# Altium PCB 键盘.PcbDoc (part 9 of 10)
Units mm, origin at the board's own origin, x right, y up, seen from the top; angles counter-clockwise.
Board outline 100 x 100 mm, 2 copper layers (Top Layer, Bottom Layer); 85 components, 82 nets, 333 pads, 92 vias.
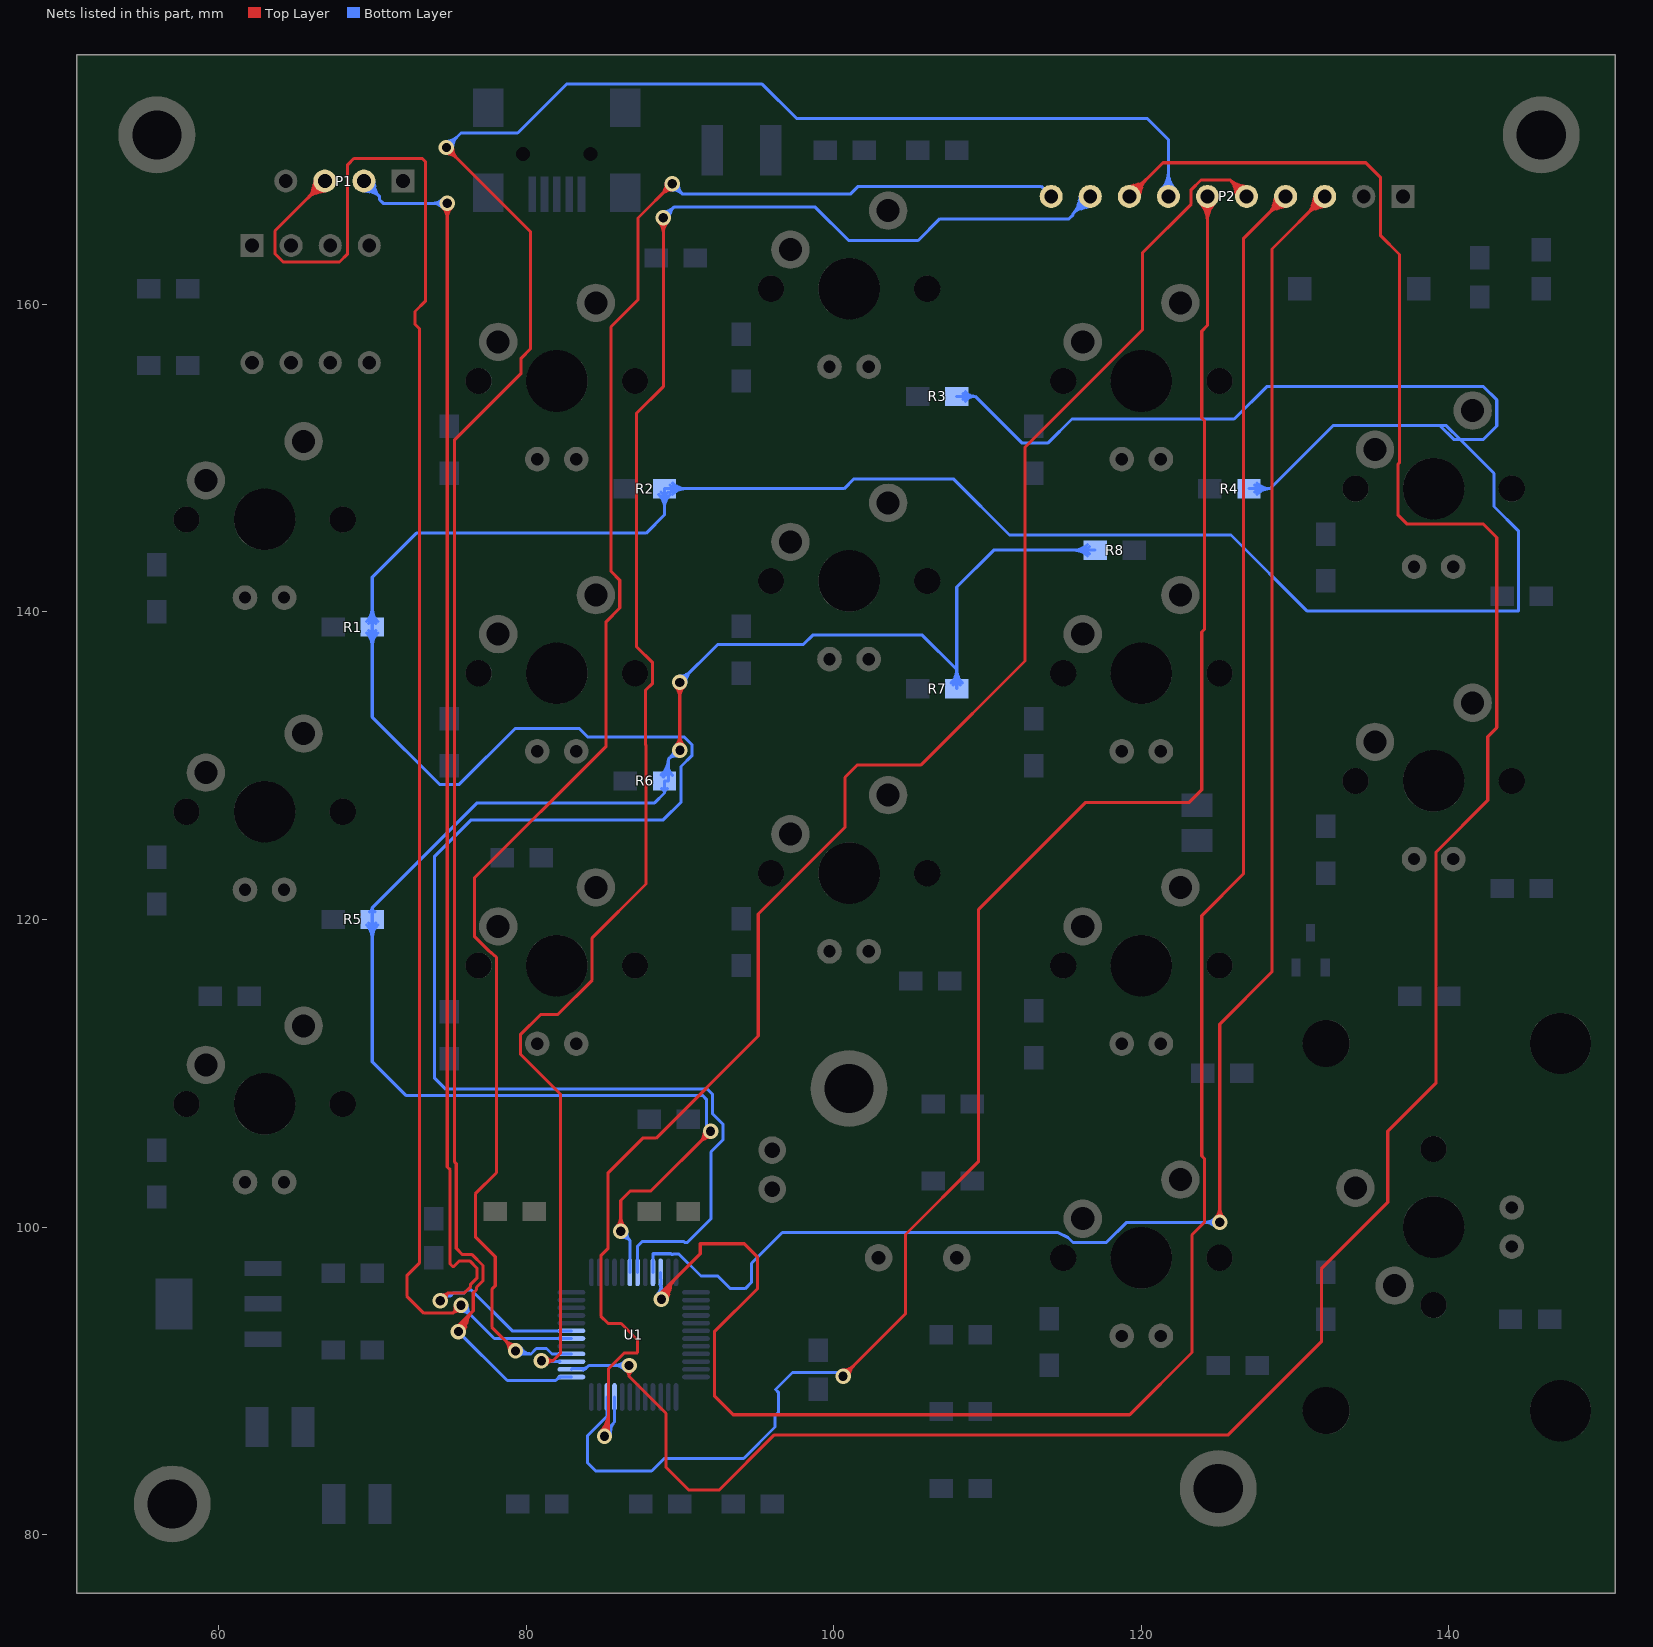
[diagram p9: the nets of this part, all layers, seen from the top]

## Via types
v1: diameter 1, hole 0.6, Top Layer to Bottom Layer, 92 vias

## Nets (pads, with @x,y where several pads share a name; then routed paths per layer and width w, separated by ;. In a path a pad name is that pad's centre, name@x,y a point inside that pad or via, vN(x,y) a via of type N, cw(c..) or ccw(c..) an arc to the next point about the centre after c; other vN are vias at no path point) (continued)
PB6: R5.1 R6.1 R7.1 R8.1 U1.42 | length 197.3
  Top Layer w0.2: v1(86.157,99.72) 86.157,101.727 86.766,102.337 88.113,102.337 v1(91.999,106.223) ; v1(89.992,135.407) 89.992,131.166 89.827,131 v1(90,131) ; v1@85.874,100.003 ccw(c85.191,100.686) 86.157,100.686 ; v1@85.874,100.003 ccw(c85.191,100.686) 86.157,100.686 ; v1@85.874,100.003 ccw(c85.191,100.686) 86.157,100.686 ; 86.157,100.686 ccw(c87.122,100.686) v1@86.44,100.003 ; 86.157,100.686 ccw(c87.122,100.686) v1@86.44,100.003 ; 86.157,100.686 ccw(c87.122,100.686) v1@86.44,100.003 ; v1@89.709,135.125 cw(c89.027,134.442) 89.992,134.442 ; v1@89.709,135.125 cw(c89.027,134.442) 89.992,134.442 ; v1@89.709,135.125 cw(c89.027,134.442) 89.992,134.442 ; v1@89.717,131.283 ccw(c89.053,131.947) 89.992,131.947 ; v1@89.717,131.283 ccw(c89.053,131.947) 89.992,131.947 ; v1@89.717,131.283 ccw(c89.053,131.947) 89.992,131.947 ; 89.992,131.502 ccw(c90.502,131.502) v1@90.141,131.141 ; 89.992,131.502 ccw(c90.502,131.502) v1@90.141,131.141 ; 89.992,131.502 ccw(c90.502,131.502) v1@90.141,131.141 ; 89.992,131.985 ccw(c90.985,131.985) v1@90.283,131.283 ; 89.992,131.985 ccw(c90.985,131.985) v1@90.283,131.283 ; 89.992,131.985 ccw(c90.985,131.985) v1@90.283,131.283 ; 89.992,134.442 cw(c90.958,134.442) v1@90.275,135.125 ; 89.992,134.442 cw(c90.958,134.442) v1@90.275,135.125 ; 89.992,134.442 cw(c90.958,134.442) v1@90.275,135.125 ; 91.316,105.54 cw(c91.999,104.857) v1@91.999,105.823 ; 91.316,105.54 ccw(c90.633,106.223) v1@91.599,106.223 ; 91.316,105.54 cw(c91.999,104.857) v1@91.999,105.823 ; 91.316,105.54 ccw(c90.633,106.223) v1@91.599,106.223 ; 91.316,105.54 cw(c91.999,104.857) v1@91.999,105.823 ; 91.316,105.54 ccw(c90.633,106.223) v1@91.599,106.223 ; 91.464,105.719 cw(c92.139,105.538) v1(91.999,106.223) ; 91.464,105.719 cw(c92.139,105.538) v1(91.999,106.223) ; 91.464,105.719 cw(c92.139,105.538) v1(91.999,106.223) ; 91.495,105.688 ccw(c91.314,106.363) v1(91.999,106.223) ; 91.495,105.688 ccw(c91.314,106.363) v1(91.999,106.223) ; 91.495,105.688 ccw(c91.314,106.363) v1(91.999,106.223)
  Bottom Layer w0.2: v1(86.157,99.72) 86.75,99.127 ; U1.42@86.75,97.05 86.75,99.127 ; v1(90,131) 89.827,131 89.256,130.429 ; v1(91.999,106.223) 91.719,106.502 91.719,108.306 91.465,108.56 72.184,108.56 70,110.744 R5.1@70,120 70,120.749 ; R7.1@108,135 108,136.246 ; R8.1@117,144 110.395,144 108,141.605 108,136.246 ; R5.1@69.629,119.629 cw(c68.733,118.733) 70,118.733 ; R5.1@69.629,119.629 cw(c68.733,118.733) 70,118.733 ; R5.1@69.629,119.629 cw(c68.733,118.733) 70,118.733 ; R5.1@69.77,119.77 cw(c69.215,119.215) 70,119.215 ; R5.1@69.77,119.77 cw(c69.215,119.215) 70,119.215 ; R5.1@69.77,119.77 cw(c69.215,119.215) 70,119.215 ; R5.1@69.821,120.493 ccw(c69.728,120.749) 70,120.749 ; R5.1@69.821,120.493 ccw(c69.728,120.749) 70,120.749 ; R5.1@69.821,120.493 ccw(c69.728,120.749) 70,120.749 ; 70,118.733 cw(c71.267,118.733) R5.1@70.371,119.629 ; 70,118.733 cw(c71.267,118.733) R5.1@70.371,119.629 ; 70,118.733 cw(c71.267,118.733) R5.1@70.371,119.629 ; 70,119.215 cw(c70.785,119.215) R5.1@70.23,119.77 ; 70,119.215 cw(c70.785,119.215) R5.1@70.23,119.77 ; 70,119.215 cw(c70.785,119.215) R5.1@70.23,119.77 ; 70,120.749 ccw(c70.272,120.749) R5.1@70.179,120.493 ; 70,120.749 ccw(c70.272,120.749) R5.1@70.179,120.493 ; 70,120.749 ccw(c70.272,120.749) R5.1@70.179,120.493 ; 70,120.749 76.829,127.578 88.359,127.578 89,128.219 ; v1@86.199,99.323 cw(c86.269,98.647) 86.75,99.127 ; v1@86.199,99.323 cw(c86.269,98.647) 86.75,99.127 ; v1@86.199,99.323 cw(c86.269,98.647) 86.75,99.127 ; v1@86.555,99.679 ccw(c87.231,99.608) 86.75,99.127 ; v1@86.555,99.679 ccw(c87.231,99.608) 86.75,99.127 ; v1@86.555,99.679 ccw(c87.231,99.608) 86.75,99.127 ; R6.1@88.789,129.393 ccw(c87.873,130.429) 89.256,130.429 ; R6.1@88.789,129.393 ccw(c87.873,130.429) 89.256,130.429 ; R6.1@88.789,129.393 ccw(c87.873,130.429) 89.256,130.429 ; R6.1@88.802,128.514 cw(c88.682,128.219) 89,128.219 ; R6.1@88.802,128.514 cw(c88.682,128.219) 89,128.219 ; R6.1@88.802,128.514 cw(c88.682,128.219) 89,128.219 ; R6.1@88.922,129.243 ccw(c88.265,129.985) 89.256,129.985 ; R6.1@88.922,129.243 ccw(c88.265,129.985) 89.256,129.985 ; R6.1@88.922,129.243 ccw(c88.265,129.985) 89.256,129.985 ; 89,128.219 cw(c89.318,128.219) R6.1@89.198,128.514 ; 89,128.219 cw(c89.318,128.219) R6.1@89.198,128.514 ; 89,128.219 cw(c89.318,128.219) R6.1@89.198,128.514 ; 89,128.219 R6.1@89,129 89.256,129 89.256,130.429 ; 89.256,129.981 ccw(c90.118,129.981) R6.1@89.508,129.371 ; 89.256,129.981 ccw(c90.118,129.981) R6.1@89.508,129.371 ; 89.256,129.981 ccw(c90.118,129.981) R6.1@89.508,129.371 ; 89.256,130.429 cw(c89.743,129.942) v1@89.906,130.611 ; 89.256,130.429 cw(c89.743,129.942) v1@89.906,130.611 ; 89.256,130.429 cw(c89.743,129.942) v1@89.906,130.611 ; 89.44,130.613 ccw(c89.053,131) v1@89.6,131 ; 89.44,130.613 ccw(c89.053,131) v1@89.6,131 ; 89.44,130.613 ccw(c89.053,131) v1@89.6,131 ; 89.507,130.681 cw(c89.841,130.347) v1@89.953,130.806 ; 89.507,130.681 cw(c89.841,130.347) v1@89.953,130.806 ; 89.507,130.681 cw(c89.841,130.347) v1@89.953,130.806 ; v1(89.992,135.407) cw(c90.677,135.267) 90.496,135.942 ; v1(89.992,135.407) ccw(c89.852,136.092) 90.527,135.911 ; v1(89.992,135.407) cw(c90.677,135.267) 90.496,135.942 ; v1(89.992,135.407) ccw(c89.852,136.092) 90.527,135.911 ; v1(89.992,135.407) cw(c90.677,135.267) 90.496,135.942 ; v1(89.992,135.407) ccw(c89.852,136.092) 90.527,135.911 ; v1(89.992,135.407) 92.456,137.871 98.019,137.871 98.628,138.481 105.765,138.481 108,136.246 ; v1@89.992,135.807 ccw(c89.992,136.773) 90.675,136.09 ; v1@89.992,135.807 ccw(c89.992,136.773) 90.675,136.09 ; v1@89.992,135.807 ccw(c89.992,136.773) 90.675,136.09 ; v1@90.392,135.407 cw(c91.358,135.407) 90.675,136.09 ; v1@90.392,135.407 cw(c91.358,135.407) 90.675,136.09 ; v1@90.392,135.407 cw(c91.358,135.407) 90.675,136.09 ; R7.1@107.633,135.376 ccw(c106.785,136.246) 108,136.246 ; R7.1@107.633,135.376 ccw(c106.785,136.246) 108,136.246 ; R7.1@107.633,135.376 ccw(c106.785,136.246) 108,136.246 ; R7.1@107.773,135.233 ccw(c107.248,135.771) 108,135.771 ; R7.1@107.773,135.233 ccw(c107.248,135.771) 108,135.771 ; R7.1@107.773,135.233 ccw(c107.248,135.771) 108,135.771 ; 108,135.771 ccw(c108.752,135.771) R7.1@108.227,135.233 ; 108,135.771 ccw(c108.752,135.771) R7.1@108.227,135.233 ; 108,135.771 ccw(c108.752,135.771) R7.1@108.227,135.233 ; 108,136.246 ccw(c109.215,136.246) R7.1@108.367,135.376 ; 108,136.246 ccw(c109.215,136.246) R7.1@108.367,135.376 ; 108,136.246 ccw(c109.215,136.246) R7.1@108.367,135.376 ; 115.596,144 cw(c115.596,142.733) R8.1@116.492,143.629 ; 115.596,144 ccw(c115.596,145.267) R8.1@116.492,144.371 ; 115.596,144 cw(c115.596,142.733) R8.1@116.492,143.629 ; 115.596,144 ccw(c115.596,145.267) R8.1@116.492,144.371 ; 115.596,144 cw(c115.596,142.733) R8.1@116.492,143.629 ; 115.596,144 ccw(c115.596,145.267) R8.1@116.492,144.371 ; 116.078,144 cw(c116.078,143.215) R8.1@116.633,143.77 ; 116.078,144 ccw(c116.078,144.785) R8.1@116.633,144.23 ; 116.078,144 cw(c116.078,143.215) R8.1@116.633,143.77 ; 116.078,144 ccw(c116.078,144.785) R8.1@116.633,144.23 ; 116.078,144 cw(c116.078,143.215) R8.1@116.633,143.77 ; 116.078,144 ccw(c116.078,144.785) R8.1@116.633,144.23
PB7: R1.1 R2.1 R3.1 R4.1 U1.43 | length 313.7
  Bottom Layer w0.2: U1.43@87.25,97.05 87.25,98.755 87.555,99.06 90.258,99.06 90.318,99 90.491,99 92.024,100.533 92.024,104.886 92.802,105.664 92.802,106.68 92.121,107.361 92.121,108.629 91.791,108.96 74.784,108.96 74.041,109.703 74.041,124.079 76.429,126.467 88.925,126.467 90.068,127.61 90.068,129.937 90.8,130.669 90.8,131.331 90.269,131.862 84,131.862 83.442,132.42 79.309,132.42 75.667,128.778 74.371,128.778 70,133.149 R1.1@70,139 70,142.24 72.87,145.11 87.806,145.11 89,146.304 R2.1@89,148 100.68,148 101.321,148.641 107.772,148.641 111.43,144.983 125.832,144.983 130.759,140.056 144.526,140.056 144.526,145.237 142.926,146.837 142.926,148.996 140.716,151.206 ; R3.1@108,154 109.195,154 ; R4.1@127,148 128.366,148 ; R1.1@69.629,138.629 cw(c68.733,137.733) 70,137.733 ; R1.1@69.629,138.629 cw(c68.733,137.733) 70,137.733 ; R1.1@69.629,138.629 cw(c68.733,137.733) 70,137.733 ; R1.1@69.629,139.371 ccw(c68.733,140.267) 70,140.267 ; R1.1@69.629,139.371 ccw(c68.733,140.267) 70,140.267 ; R1.1@69.629,139.371 ccw(c68.733,140.267) 70,140.267 ; R1.1@69.77,138.77 cw(c69.215,138.215) 70,138.215 ; R1.1@69.77,138.77 cw(c69.215,138.215) 70,138.215 ; R1.1@69.77,138.77 cw(c69.215,138.215) 70,138.215 ; R1.1@69.77,139.23 ccw(c69.215,139.785) 70,139.785 ; R1.1@69.77,139.23 ccw(c69.215,139.785) 70,139.785 ; R1.1@69.77,139.23 ccw(c69.215,139.785) 70,139.785 ; 70,137.733 cw(c71.267,137.733) R1.1@70.371,138.629 ; 70,137.733 cw(c71.267,137.733) R1.1@70.371,138.629 ; 70,137.733 cw(c71.267,137.733) R1.1@70.371,138.629 ; 70,138.215 cw(c70.785,138.215) R1.1@70.23,138.77 ; 70,138.215 cw(c70.785,138.215) R1.1@70.23,138.77 ; 70,138.215 cw(c70.785,138.215) R1.1@70.23,138.77 ; 70,139.785 ccw(c70.785,139.785) R1.1@70.23,139.23 ; 70,139.785 ccw(c70.785,139.785) R1.1@70.23,139.23 ; 70,139.785 ccw(c70.785,139.785) R1.1@70.23,139.23 ; 70,140.267 ccw(c71.267,140.267) R1.1@70.371,139.371 ; 70,140.267 ccw(c71.267,140.267) R1.1@70.371,139.371 ; 70,140.267 ccw(c71.267,140.267) R1.1@70.371,139.371 ; R2.1@88.629,147.629 cw(c87.733,146.733) 89,146.733 ; R2.1@88.629,147.629 cw(c87.733,146.733) 89,146.733 ; R2.1@88.629,147.629 cw(c87.733,146.733) 89,146.733 ; R2.1@88.77,147.77 cw(c88.215,147.215) 89,147.215 ; R2.1@88.77,147.77 cw(c88.215,147.215) 89,147.215 ; R2.1@88.77,147.77 cw(c88.215,147.215) 89,147.215 ; 89,146.733 cw(c90.267,146.733) R2.1@89.371,147.629 ; 89,146.733 cw(c90.267,146.733) R2.1@89.371,147.629 ; 89,146.733 cw(c90.267,146.733) R2.1@89.371,147.629 ; 89,147.215 cw(c89.785,147.215) R2.1@89.23,147.77 ; 89,147.215 cw(c89.785,147.215) R2.1@89.23,147.77 ; 89,147.215 cw(c89.785,147.215) R2.1@89.23,147.77 ; R2.1@89.367,147.77 cw(c89.922,147.215) 89.922,148 ; R2.1@89.367,147.77 cw(c89.922,147.215) 89.922,148 ; R2.1@89.367,147.77 cw(c89.922,147.215) 89.922,148 ; R2.1@89.367,148.23 ccw(c89.922,148.785) 89.922,148 ; R2.1@89.367,148.23 ccw(c89.922,148.785) 89.922,148 ; R2.1@89.367,148.23 ccw(c89.922,148.785) 89.922,148 ; R2.1@89.508,147.629 cw(c90.404,146.733) 90.404,148 ; R2.1@89.508,147.629 cw(c90.404,146.733) 90.404,148 ; R2.1@89.508,147.629 cw(c90.404,146.733) 90.404,148 ; R2.1@89.508,148.371 ccw(c90.404,149.267) 90.404,148 ; R2.1@89.508,148.371 ccw(c90.404,149.267) 90.404,148 ; R2.1@89.508,148.371 ccw(c90.404,149.267) 90.404,148 ; R3.1@108.396,153.804 cw(c108.792,153.503) 108.792,154 ; R3.1@108.396,153.804 cw(c108.792,153.503) 108.792,154 ; R3.1@108.396,153.804 cw(c108.792,153.503) 108.792,154 ; R3.1@108.396,154.196 ccw(c108.792,154.497) 108.792,154 ; R3.1@108.396,154.196 ccw(c108.792,154.497) 108.792,154 ; R3.1@108.396,154.196 ccw(c108.792,154.497) 108.792,154 ; R3.1@108.555,153.683 cw(c109.195,153.197) 109.195,154 ; R3.1@108.555,153.683 cw(c109.195,153.197) 109.195,154 ; R3.1@108.555,153.683 cw(c109.195,153.197) 109.195,154 ; R3.1@108.555,154.317 ccw(c109.195,154.803) 109.195,154 ; R3.1@108.555,154.317 ccw(c109.195,154.803) 109.195,154 ; R3.1@108.555,154.317 ccw(c109.195,154.803) 109.195,154 ; 109.195,154 112.217,150.978 113.944,150.978 115.494,152.527 126.035,152.527 128.143,154.635 142.24,154.635 143.104,153.772 143.104,152.07 142.24,151.206 140.716,151.206 ; R4.1@127.372,147.775 cw(c127.898,147.272) 127.898,148 ; R4.1@127.372,147.775 cw(c127.898,147.272) 127.898,148 ; R4.1@127.372,147.775 cw(c127.898,147.272) 127.898,148 ; R4.1@127.372,148.225 ccw(c127.898,148.728) 127.898,148 ; R4.1@127.372,148.225 ccw(c127.898,148.728) 127.898,148 ; R4.1@127.372,148.225 ccw(c127.898,148.728) 127.898,148 ; R4.1@127.516,147.637 cw(c128.366,146.825) 128.366,148 ; R4.1@127.516,147.637 cw(c128.366,146.825) 128.366,148 ; R4.1@127.516,147.637 cw(c128.366,146.825) 128.366,148 ; R4.1@127.516,148.363 ccw(c128.366,149.175) 128.366,148 ; R4.1@127.516,148.363 ccw(c128.366,149.175) 128.366,148 ; R4.1@127.516,148.363 ccw(c128.366,149.175) 128.366,148 ; 128.366,148 132.461,152.095 139.421,152.095 ; 139.421,152.095 139.827,152.095 140.716,151.206 ; 139.421,152.095 140.31,151.206 140.716,151.206
PB8: P2.3 U1.45 | length 150.4
  Top Layer w0.2: v1(125.095,100.305) 125.095,113.183 128.499,116.586 128.499,163.579 P2.3@131.92,167 ; v1@124.812,100.587 ccw(c124.13,101.27) 125.095,101.27 ; v1@124.812,100.587 ccw(c124.13,101.27) 125.095,101.27 ; v1@124.812,100.587 ccw(c124.13,101.27) 125.095,101.27 ; 125.095,101.27 ccw(c126.061,101.27) v1@125.378,100.587 ; 125.095,101.27 ccw(c126.061,101.27) v1@125.378,100.587 ; 125.095,101.27 ccw(c126.061,101.27) v1@125.378,100.587 ; 130.81,165.89 cw(c131.92,164.781) P2.3@131.92,166.35 ; 130.81,165.89 ccw(c129.701,167) P2.3@131.27,167 ; 130.81,165.89 cw(c131.92,164.781) P2.3@131.92,166.35 ; 130.81,165.89 ccw(c129.701,167) P2.3@131.27,167 ; 130.81,165.89 cw(c131.92,164.781) P2.3@131.92,166.35 ; 130.81,165.89 ccw(c129.701,167) P2.3@131.27,167 ; 131.113,166.416 cw(c132.093,166.153) P2.3@131.89,167.147 ; 131.113,166.416 cw(c132.093,166.153) P2.3@131.89,167.147 ; 131.113,166.416 cw(c132.093,166.153) P2.3@131.89,167.147 ; 131.152,166.232 cw(c131.92,165.464) P2.3@131.92,166.55 ; 131.152,166.232 ccw(c130.384,167) P2.3@131.47,167 ; 131.152,166.232 cw(c131.92,165.464) P2.3@131.92,166.55 ; 131.152,166.232 ccw(c130.384,167) P2.3@131.47,167 ; 131.152,166.232 cw(c131.92,165.464) P2.3@131.92,166.55 ; 131.152,166.232 ccw(c130.384,167) P2.3@131.47,167 ; 131.197,166.728 cw(c132.021,166.507) P2.3@131.85,167.343 ; 131.197,166.728 cw(c132.021,166.507) P2.3@131.85,167.343 ; 131.197,166.728 cw(c132.021,166.507) P2.3@131.85,167.343 ; 131.335,166.495 cw(c131.928,166.336) P2.3@131.921,166.95 ; 131.335,166.495 cw(c131.928,166.336) P2.3@131.921,166.95 ; 131.335,166.495 cw(c131.928,166.336) P2.3@131.921,166.95 ; 131.336,166.193 ccw(c131.073,167.173) P2.3@132.067,166.97 ; 131.336,166.193 ccw(c131.073,167.173) P2.3@132.067,166.97 ; 131.336,166.193 ccw(c131.073,167.173) P2.3@132.067,166.97 ; 131.415,166.415 ccw(c131.256,167.008) P2.3@131.87,167.001 ; 131.415,166.415 ccw(c131.256,167.008) P2.3@131.87,167.001 ; 131.415,166.415 ccw(c131.256,167.008) P2.3@131.87,167.001 ; 131.648,166.277 ccw(c131.427,167.101) P2.3@132.263,166.93 ; 131.648,166.277 ccw(c131.427,167.101) P2.3@132.263,166.93 ; 131.648,166.277 ccw(c131.427,167.101) P2.3@132.263,166.93
  Bottom Layer w0.2: U1.45@88.25,97.05 88.25,98.26 89.426,98.26 89.486,98.2 89.514,98.2 89.564,98.25 89.936,98.25 91.376,96.81 92.47,96.81 93.288,95.992 94.247,95.992 94.653,96.399 94.653,97.638 96.66,99.644 114.554,99.644 115.232,99.314 115.556,98.99 117.729,98.99 119.044,100.305 v1(125.095,100.305) ; 124.13,100.305 cw(c124.13,99.339) v1@124.812,100.022 ; 124.13,100.305 ccw(c124.13,101.27) v1@124.812,100.587 ; 124.13,100.305 cw(c124.13,99.339) v1@124.812,100.022 ; 124.13,100.305 ccw(c124.13,101.27) v1@124.812,100.587 ; 124.13,100.305 cw(c124.13,99.339) v1@124.812,100.022 ; 124.13,100.305 ccw(c124.13,101.27) v1@124.812,100.587
PB9: P2.4 U1.46 | length 187.6
  Top Layer w0.2: v1@88.946,95.672 ccw(c89.056,95.952) 89.261,95.733 ccw(c89.467,95.513) v1@89.181,95.422 ; P2.4@129.38,167 126.63,164.25 126.63,122.947 123.927,120.244 123.927,104.623 124.104,104.445 124.104,100.305 123.292,99.492 123.292,91.846 119.24,87.795 93.472,87.795 92.24,89.027 92.24,93.193 95.053,96.006 95.053,98.044 94.183,98.914 91.326,98.914 91.326,98.26 88.8,95.734 v1(88.8,95.3) ; v1@88.726,95.486 ccw(c88.442,96.205) 89.189,96.005 ; v1@88.726,95.486 ccw(c88.442,96.205) 89.189,96.005 ; v1@88.726,95.486 ccw(c88.442,96.205) 89.189,96.005 ; v1@88.784,95.7 ccw(c88.778,95.867) 88.94,95.824 ; v1@88.784,95.7 ccw(c88.778,95.867) 88.94,95.824 ; v1@88.784,95.7 ccw(c88.778,95.867) 88.94,95.824 ; v1(88.8,95.3) cw(c89.848,95.3) 89.107,96.041 ; v1(88.8,95.3) ccw(c88.223,96.378) 89.404,96.061 ; v1(88.8,95.3) ccw(c88.223,96.378) 89.404,96.061 ; v1(88.8,95.3) cw(c89.848,95.3) 89.107,96.041 ; v1(88.8,95.3) ccw(c88.223,96.378) 89.404,96.061 ; v1(88.8,95.3) cw(c89.848,95.3) 89.107,96.041 ; v1@88.894,95.123 ccw(c88.522,95.82) 89.284,95.615 ; v1@88.894,95.123 ccw(c88.522,95.82) 89.284,95.615 ; v1@88.894,95.123 ccw(c88.522,95.82) 89.284,95.615 ; 88.94,95.824 ccw(c89.103,95.78) v1@89.013,95.638 ; 88.94,95.824 ccw(c89.103,95.78) v1@89.013,95.638 ; 88.94,95.824 ccw(c89.103,95.78) v1@89.013,95.638 ; v1@89,95.3 cw(c90.531,95.3) 89.448,96.382 ; v1@89,95.3 cw(c90.531,95.3) 89.448,96.382 ; v1@89,95.3 cw(c90.531,95.3) 89.448,96.382 ; 89.116,95.732 ccw(c89.411,95.653) v1@89.146,95.5 ; 89.116,95.732 ccw(c89.411,95.653) v1@89.146,95.5 ; 89.116,95.732 ccw(c89.411,95.653) v1@89.146,95.5 ; v1@89.2,95.3 cw(c91.214,95.3) 89.79,96.724 ; v1@89.2,95.3 cw(c91.214,95.3) 89.79,96.724 ; v1@89.2,95.3 cw(c91.214,95.3) 89.79,96.724 ; 128.27,165.89 cw(c129.38,164.781) P2.4@129.38,166.35 ; 128.27,165.89 ccw(c127.161,167) P2.4@128.73,167 ; 128.27,165.89 cw(c129.38,164.781) P2.4@129.38,166.35 ; 128.27,165.89 ccw(c127.161,167) P2.4@128.73,167 ; 128.27,165.89 cw(c129.38,164.781) P2.4@129.38,166.35 ; 128.27,165.89 ccw(c127.161,167) P2.4@128.73,167 ; 128.573,166.416 cw(c129.553,166.153) P2.4@129.35,167.147 ; 128.573,166.416 cw(c129.553,166.153) P2.4@129.35,167.147 ; 128.573,166.416 cw(c129.553,166.153) P2.4@129.35,167.147 ; 128.612,166.232 cw(c129.38,165.464) P2.4@129.38,166.55 ; 128.612,166.232 ccw(c127.844,167) P2.4@128.93,167 ; 128.612,166.232 cw(c129.38,165.464) P2.4@129.38,166.55 ; 128.612,166.232 ccw(c127.844,167) P2.4@128.93,167 ; 128.612,166.232 cw(c129.38,165.464) P2.4@129.38,166.55 ; 128.612,166.232 ccw(c127.844,167) P2.4@128.93,167 ; 128.657,166.728 cw(c129.481,166.507) P2.4@129.31,167.343 ; 128.657,166.728 cw(c129.481,166.507) P2.4@129.31,167.343 ; 128.657,166.728 cw(c129.481,166.507) P2.4@129.31,167.343 ; 128.795,166.495 cw(c129.388,166.336) P2.4@129.381,166.95 ; 128.795,166.495 cw(c129.388,166.336) P2.4@129.381,166.95 ; 128.795,166.495 cw(c129.388,166.336) P2.4@129.381,166.95 ; 128.796,166.193 ccw(c128.533,167.173) P2.4@129.527,166.97 ; 128.796,166.193 ccw(c128.533,167.173) P2.4@129.527,166.97 ; 128.796,166.193 ccw(c128.533,167.173) P2.4@129.527,166.97 ; 128.875,166.415 ccw(c128.716,167.008) P2.4@129.33,167.001 ; 128.875,166.415 ccw(c128.716,167.008) P2.4@129.33,167.001 ; 128.875,166.415 ccw(c128.716,167.008) P2.4@129.33,167.001 ; 129.108,166.277 ccw(c128.887,167.101) P2.4@129.723,166.93 ; 129.108,166.277 ccw(c128.887,167.101) P2.4@129.723,166.93 ; 129.108,166.277 ccw(c128.887,167.101) P2.4@129.723,166.93
  Bottom Layer w0.2: U1.46@88.75,97.05 v1(88.8,95.3) ; v1@88.509,95.574 ccw(c87.807,96.238) U1.46@88.772,96.265 ; v1@88.509,95.574 ccw(c87.807,96.238) U1.46@88.772,96.265 ; v1@88.509,95.574 ccw(c87.807,96.238) U1.46@88.772,96.265 ; U1.46@88.707,96.274 cw(c88.518,96.157) 88.734,96.106 ; U1.46@88.707,96.274 cw(c88.518,96.157) 88.734,96.106 ; U1.46@88.707,96.274 cw(c88.518,96.157) 88.734,96.106 ; U1.46@88.716,96.264 cw(c88.583,96.123) 88.776,96.128 ; U1.46@88.716,96.264 cw(c88.583,96.123) 88.776,96.128 ; U1.46@88.716,96.264 cw(c88.583,96.123) 88.776,96.128 ; U1.46@88.772,96.265 ccw(c89.738,96.293) v1@89.074,95.591 ; U1.46@88.772,96.265 ccw(c89.738,96.293) v1@89.074,95.591 ; U1.46@88.772,96.265 ccw(c89.738,96.293) v1@89.074,95.591